# Altium PCB RX_test_01.PcbDoc (part 1 of 3) (continued)
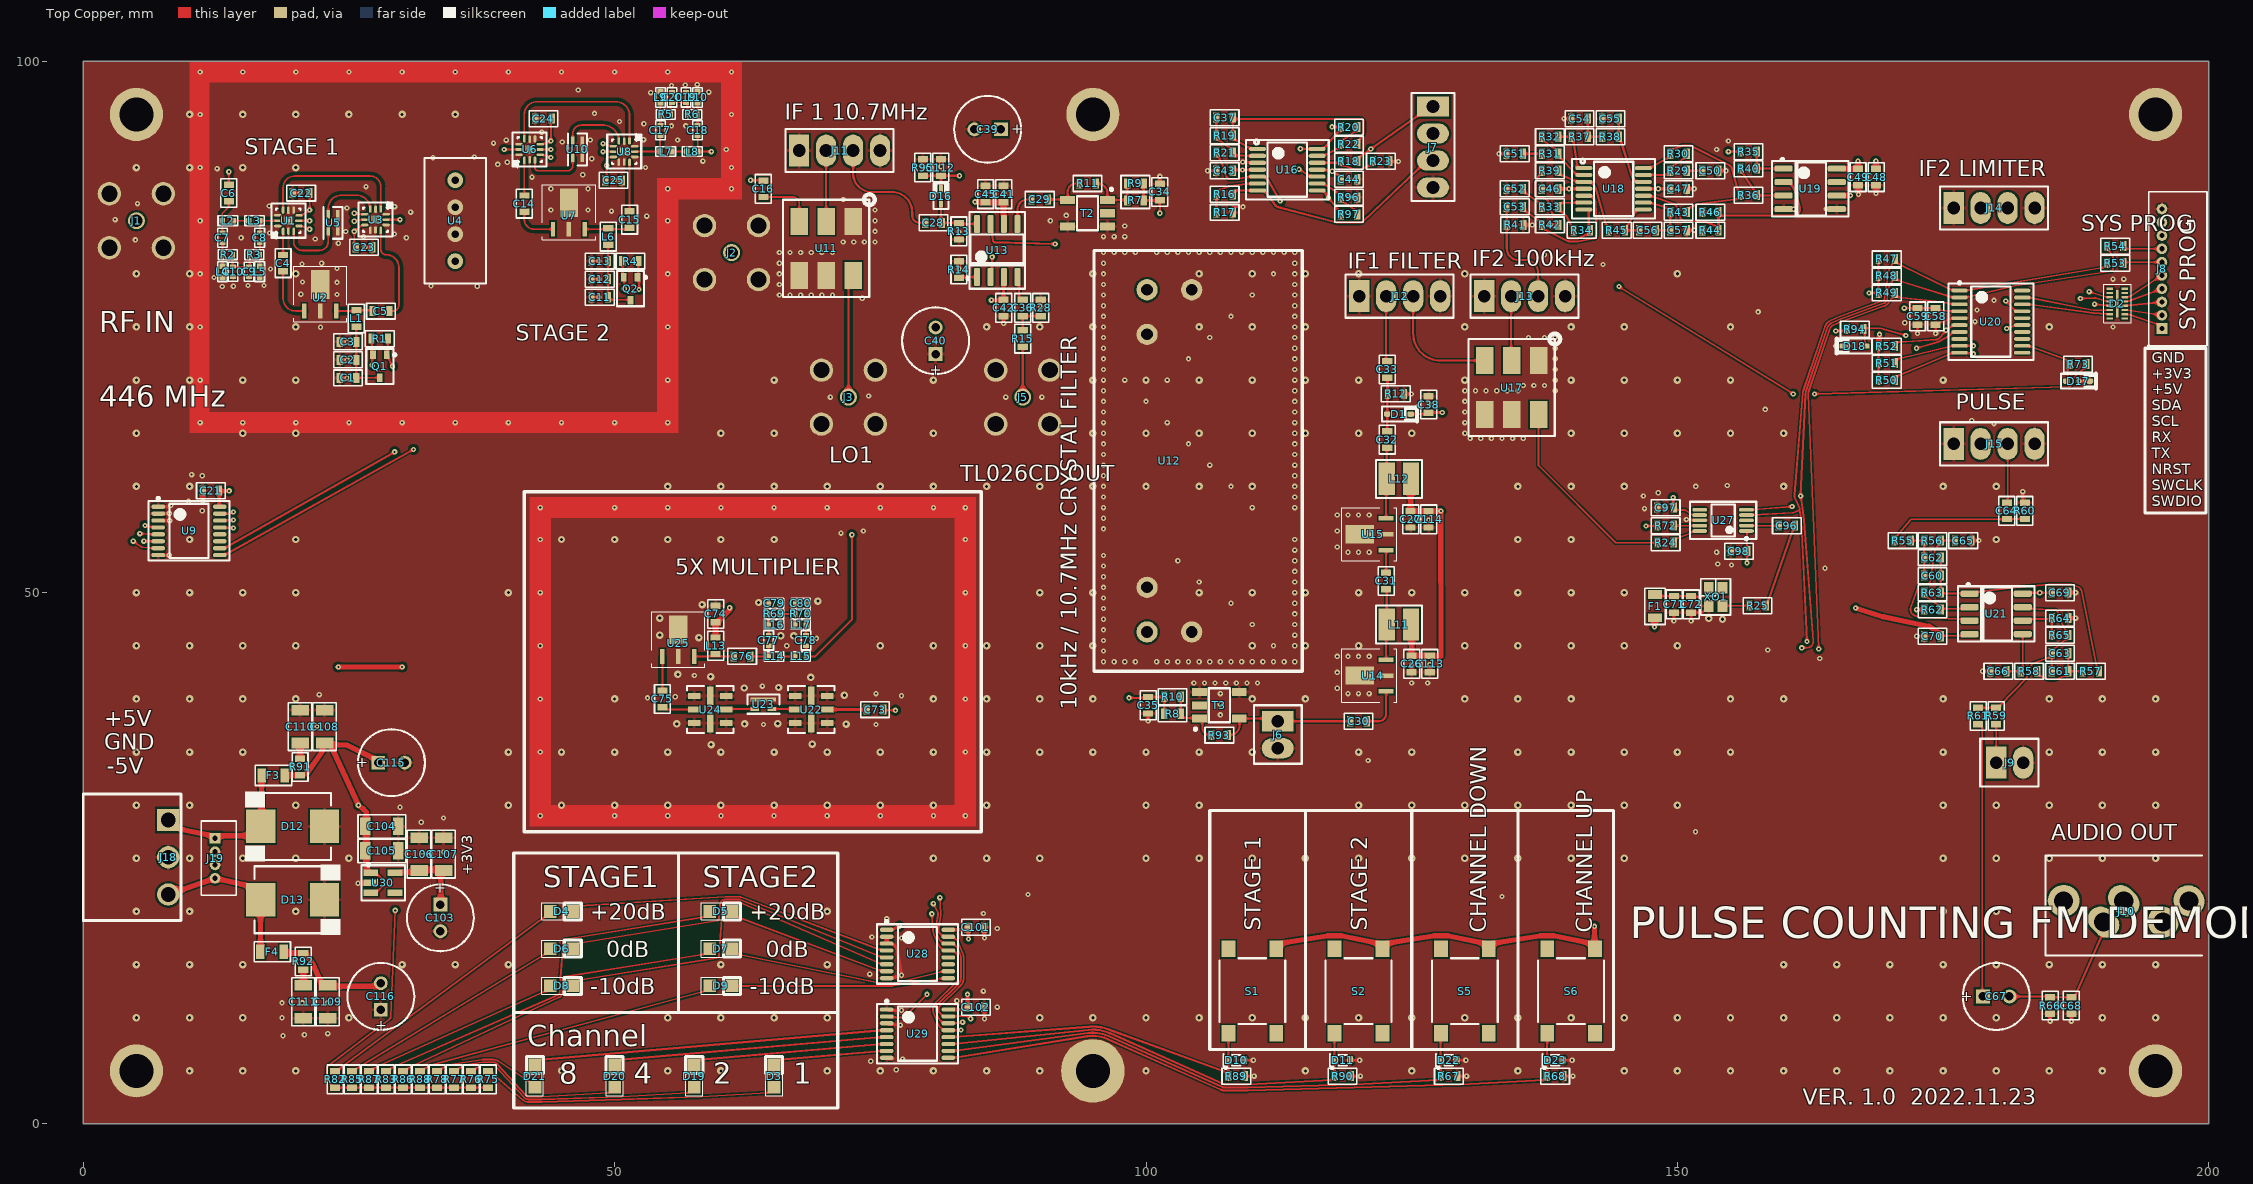
[diagram p0: Top Copper view]
## Components (designator, comment, footprint, x,y, rotation, side; value= is the part's Value field where it differs from the comment)
C1 "1u, 25V, X7R" SMD0603 24.9,70.2 r0 top
C2 "1u, 25V, X7R" SMD0603 24.9,71.9 r0 top
C3 "470p, 50V, C0G" SMD0603 24.9,73.6 r0 top
C4 "470p, 50V, C0G" SMD0603 18.8,81 r270 top
C5 "470p, 50V, C0G" SMD0603 28,76.5 r0 top
C6 "470p, 50V, C0G" SMD0603 13.7,87.6 r270 top
C7 "3p, 50V, C0G" SMD0402 13.1,83.4 r90 top
C8 "3p, 50V, C0G" SMD0402 16.6,83.4 r90 top
C9 "3p, 50V, C0G" SMD0402 15.6,80.2 r270 top
C10 "3p, 50V, C0G" SMD0402 14.1,80.2 r270 top
C11 "1u, 25V, X7R" SMD0603 48.6,77.8 r0 top
C12 "1u, 25V, X7R" SMD0603 48.6,79.5 r0 top
C13 "470p, 50V, C0G" SMD0603 48.6,81.2 r0 top
C14 "470p, 50V, C0G" SMD0603 41.5,86.6 r270 top
C15 "470p, 50V, C0G" SMD0603 51.4,85.1 r90 top
C16 "470p, 50V, C0G" SMD0603 64,88 r270 top
C17 "3p, 50V, C0G" SMD0402 54.3,93.5 r270 top
C18 "3p, 50V, C0G" SMD0402 57.8,93.5 r270 top
C19 "3p, 50V, C0G" SMD0402 56.7,96.6 r90 top
C20 "3p, 50V, C0G" SMD0402 55.4,96.6 r90 top
C21 "1u, 25V, X7R" SMD0603 12,59.6 r0 top
C22 "1u, 25V, X7R" SMD0603 20.5,87.6 r0 top
C23 "1u, 25V, X7R" SMD0603 26.425,82.5 r180 top
C24 "1u, 25V, X7R" SMD0603 43.3,94.6 r0 top
C25 "1u, 25V, X7R" SMD0603 49.9,88.8 r180 top
C26 "1u, 25V, X7R" SMD0603 125,43.3 r90 top
C27 "1u, 25V, X7R" SMD0603 124.9,56.9 r90 top
C28 "10n, 50V, C0G" SMD0603 80,84.8 r0 top
C29 "10n, 50V, C0G" SMD0603 90,87 r0 top
C30 "10n, 50V, C0G" SMD0603 120,37.9 r0 top
C31 "10n, 50V, C0G" SMD0603 122.6,51.1 r90 top
C32 "10n, 50V, C0G" SMD0603 122.7,64.4 r90 top
C33 "10n, 50V, C0G" SMD0603 122.7,71 r90 top
C34 "22p, 50V, C0G" SMD0603 101.3,87.7 r270 top
C35 "22p, 50V, C0G" SMD0603 100.2,39.4 r90 top
C36 "10n, 50V, C0G" SMD0603 88.4,76.8 r270 top
C37 "1u, 25V, X7R" SMD0603 107.4,94.7 r180 top
C38 "100n, 25V, X7R" SMD0603 126.6,67.7 r270 top
C39 "100u, alu, 25V" WCAP-ATLI_6.3x11x2.5 85.1,93.6 r0 top
C40 "100u, alu, 25V" WCAP-ATLI_6.3x11x2.5 80.2,73.7 r270 top
C41 "1u, 25V, X7R" SMD0603 86.6,87.5 r270 top
C42 "1u, 25V, X7R" SMD0603 86.6,76.8 r90 top
C43 "1u, 25V, X7R" SMD0603 107.4,89.7 r0 top
C44 "1u, 25V, X7R" SMD0603 119.1,88.9 r180 top
C45 "1u, 25V, X7R" SMD0603 84.9,87.5 r270 top
C46 "1u, 25V, X7R" SMD0603 138,88 r0 top
C47 "1u, 25V, X7R" SMD0603 150.1,88 r180 top
C48 "1u, 25V, X7R" SMD0603 168.7,89.1 r90 top
C49 "1u, 25V, X7R" SMD0603 167,89.1 r90 top
C50 "10n, 50V, C0G" SMD0603 153.1,89.7 r180 top
C51 "10n, 50V, C0G" SMD0603 134.7,91.3 r0 top
C52 "10n, 50V, C0G" SMD0603 134.7,88 r0 top
C53 "100n, 25V, X7R" SMD0603 134.7,86.3 r0 top
C54 "10n, 50V, C0G" SMD0603 140.8,94.6 r0 top
C55 "1n, 50V, C0G" SMD0603 143.7,94.6 r0 top
C56 "1u, 25V, X7R" SMD0603 147.2,84.1 r180 top
C57 "1u, 25V, X7R" SMD0603 150.1,84.1 r180 top
C58 "1u, 25V, X7R" SMD0603 174.3,76 r90 top
C59 "1u, 25V, X7R" SMD0603 172.6,76 r90 top
C60 "470p, 50V, C0G" SMD0603 174,51.6 r0 top
C61 "470p, 50V, C0G" SMD0603 186,42.6 r180 top
C62 "10n, 50V, C0G" SMD0603 174,53.3 r180 top
C63 "10n, 50V, C0G" SMD0603 186,44.3 r0 top
C64 "1u, 25V, X7R" SMD0603 181,57.7 r270 top
C65 "10n, 50V, C0G" SMD0603 176.9,54.9 r180 top
C66 "10n, 50V, C0G" SMD0603 180.2,42.6 r0 top
C67 "100u, alu, 25V" WCAP-ATLI_6.3x11x2.5 180,12 r180 top
C68 "47p, 50V, C0G" SMD0603 187.075,11.15 r90 top
C69 "1u, 25V, X7R" SMD0603 186,50 r180 top
C70 "1u, 25V, X7R" SMD0603 174,45.9 r0 top
C71 "10u, 10V, X6S" SMD0603 149.7,48.9 r90 top
C72 "1u, 25V, X7R" SMD0603 151.3,48.9 r90 top
C73 "470p, 50V, C0G" SMD0603 74.5,39 r180 top
C74 "1u, 25V, X7R" SMD0603 59.5,48 r270 top
C75 "470p, 50V, C0G" SMD0603 54.5,40 r90 top
C76 "470p, 50V, C0G" SMD0603 62,44 r0 top
C77 "3p, 50V, C0G" SMD0402 64.5,45.5 r270 top
C78 "3p, 50V, C0G" SMD0402 68,45.5 r270 top
C79 "3p, 50V, C0G" SMD0402 65,49 r180 top
C80 "3p, 50V, C0G" SMD0402 67.5,49 r0 top
C96 "1n, 50V, C0G" SMD0603 160.3,56.3 r180 top
C97 "1u, 25V, X7R" SMD0603 148.9,58 r0 top
C98 "1u, 25V, X7R" SMD0603 155.8,53.9 r0 top
C101 "1u, 25V, X7R" SMD0603 84,18.5 r180 top
C102 "1u, 25V, X7R" SMD0603 84,11 r180 top
C103 "100u, alu, 25V" WCAP-ATLI_6.3x11x2.5 33.6,19.4 r90 top
C104 "10u, 25V, X7R" SMD1206 28.1,28 r180 top
C105 "10u, 25V, X7R" SMD1206 28.1,25.7 r180 top
C106 "10u, 25V, X7R" SMD1206 31.6,25.4 r270 top
C107 "10u, 25V, X7R" SMD1206 33.9,25.4 r270 top
C108 "10u, 25V, X7R" SMD1206 22.7,37.4 r270 top
C109 "10u, 25V, X7R" SMD1206 23,11.5 r90 top
C110 "10u, 25V, X7R" SMD1206 20.4,37.4 r270 top
C111 "10u, 25V, X7R" SMD1206 20.7,11.5 r90 top
C112 "100n, 25V, X7R" SMD0603 80.7,90 r270 top
C113 "1u, 25V, X7R" SMD0603 126.7,43.3 r90 top
C114 "1u, 25V, X7R" SMD0603 126.6,56.9 r90 top
C115 "100u, alu, 25V" WCAP-ATLI_6.3x11x2.5 29,34 r180 top
C116 "100u, alu, 25V" WCAP-ATLI_6.3x11x2.5 28,12 r270 top
D1 "BAT42WS-E3-08" SOD-323 123.8,66.8 r180 top
D2 "VEMI85AB-HGK-GS08" LLP3313-17L 191.4,77.2 r90 top
D3 "GREEN" MCL-S270 65,4.5 r90 top
D4 "GREEN" MCL-S270 45,20 r0 top
D5 "GREEN" MCL-S270 60,20 r0 top
D6 "GREEN" MCL-S270 45,16.5 r0 top
D7 "GREEN" MCL-S270 60,16.5 r0 top
D8 "GREEN" MCL-S270 45,13 r0 top
D9 "GREEN" MCL-S270 60,13 r0 top
D10 "PESD3V3S1UB" SOD523 108.5,6 r0 top
D11 "PESD3V3S1UB" SOD523 118.5,6 r0 top
D12 "SMDJ5.0A-T7" DO-214AB 19.7,28 r0 top
D13 "SMDJ5.0A-T7" DO-214AB 19.7,21.1 r180 top
D16 "BAT6202VH6327XTSA1" SC79 80.7,87.3 r270 top
D17 "1N4148WS-7-F" SOD-323 187.7,69.9 r180 top
D18 "1N4148WS-7-F" SOD-323 166.7,73.2 r0 top
D19 "GREEN" MCL-S270 57.5,4.5 r90 top
D20 "GREEN" MCL-S270 50,4.5 r90 top
D21 "GREEN" MCL-S270 42.5,4.5 r90 top
D22 "PESD3V3S1UB" SOD523 128.5,6 r0 top
D23 "PESD3V3S1UB" SOD523 138.5,6 r0 top
F1 "120 ohm" "SMD0805 - R" 147.9,48.7 r270 top
F3 "120 ohm" "SMD0805 - R" 17.9,32.8 r0 top
F4 "120 ohm" "SMD0805 - R" 17.8,16.2 r0 top
J1 "MCX 73366-0061" 73366-0061 5,85 r0 top
J2 "MCX 73366-0061" 73366-0061 61,82 r0 top
J3 "MCX 73366-0061" 73366-0061 72,68.4 r90 top
J5 "MCX 73366-0061" 73366-0061 88.4,68.4 r0 top
J6 "61300211121" "HEADER 2 2.54MM" 112.4,37.9 r0 top
J7 "61300411121" "HEADER 4 2.54MM" 127,95.74 r0 top
J8 "53048-1010" 530481010 195.6,80.475 r90 top
J9 "61300211121" "HEADER 2 2.54MM" 180,34 r90 top
J10 "35RAPC4BV4" 35RAPC4BV4 199.35,20.15 r180 top
J11 "61300411121" "HEADER 4 2.54MM" 67.36,91.6 r90 top
J12 "61300411121" "HEADER 4 2.54MM" 120.06,77.9 r90 top
J13 "61300411121" "HEADER 4 2.54MM" 131.82,77.9 r90 top
J14 "61300411121" "HEADER 4 2.54MM" 176,86.2 r90 top
J15 "61300411121" "HEADER 4 2.54MM" 176,64 r90 top
J18 "691322110003" 691322110003 4.6,25.1 r270 top
J19 "53047-0410" 530470410 12.4,25 r270 top
L1 "68n, 2%, 2GHz" "SMD0603 - L" 25.7,75.8 r90 top
L2 "7.4nH, 0.5nH, 6.6GHz" Coilcraft-0402DC 13.6,85 r0 top
L3 "7.4nH, 0.5nH, 6.6GHz" Coilcraft-0402DC 16.1,85 r0 top
L4 "7.4nH, 0.5nH, 6.6GHz" Coilcraft-0402DC 13.1,80.2 r270 top
L5 "7.4nH, 0.5nH, 6.6GHz" Coilcraft-0402DC 16.6,80.2 r90 top
L6 "68n, 2%, 2GHz" "SMD0603 - L" 49.4,83.5 r90 top
L7 "7.4nH, 0.5nH, 6.6GHz" Coilcraft-0402DC 54.8,91.5 r0 top
L8 "7.4nH, 0.5nH, 6.6GHz" Coilcraft-0402DC 57.3,91.5 r0 top
L9 "7.4nH, 0.5nH, 6.6GHz" Coilcraft-0402DC 54.3,96.6 r90 top
L10 "7.4nH, 0.5nH, 6.6GHz" Coilcraft-0402DC 57.8,96.6 r270 top
L11 "ME3220-104KLC" ME3220 123.8,47 r180 top
L12 "ME3220-104KLC" ME3220 123.8,60.7 r180 top
L13 "68n, 2%, 2GHz" "SMD0603 - L" 59.5,45 r270 top
L14 "7.4nH, 0.5nH, 6.6GHz" Coilcraft-0402DC 65,44 r0 top
L15 "7.4nH, 0.5nH, 6.6GHz" Coilcraft-0402DC 67.5,44 r0 top
L16 "7.4nH, 0.5nH, 6.6GHz" Coilcraft-0402DC 65,47 r0 top
L17 "7.4nH, 0.5nH, 6.6GHz" Coilcraft-0402DC 67.5,47 r0 top
Q1 "NX3008PBKW" SOT323 27.9,71.3 r270 top
Q2 "NX3008PBKW" SOT323 51.5,78.6 r270 top
R1 "100k, 1%" "SMD0603 - R" 27.9,73.9 r0 top
R2 "49R9, 0.1%" "SMD0402 - R" 13.6,81.8 r0 top
R3 "49R9, 0.1%" "SMD0402 - R" 16.1,81.8 r0 top
R4 "100k, 1%" "SMD0603 - R" 51.475,81.2 r0 top
R5 "49R9, 0.1%" "SMD0402 - R" 54.8,95 r0 top
R6 "49R9, 0.1%" "SMD0402 - R" 57.3,95 r0 top
R7 "1k8, 1%" "SMD0603 - R" 99,86.9 r180 top
R8 "1k8, 1%" "SMD0603 - R" 102.5,38.6 r180 top
R9 "1k8, 1%" "SMD0603 - R" 99,88.5 r180 top
R10 "1k8, 1%" "SMD0603 - R" 102.5,40.2 r180 top
R11 "0R" "SMD0603 - R" 94.5,88.5 r0 top
R12 "1k8, 1%" "SMD0603 - R" 123.5,68.7 r180 top
R13 "51R, 1%" "SMD0603 - R" 82.4,84 r90 top
R14 "51R, 1%" "SMD0603 - R" 82.4,80.4 r270 top
R15 "1k8, 1%" "SMD0603 - R" 88.4,73.9 r270 top
R16 "10k, 1%" "SMD0603 - R" 107.4,87.475 r180 top
R17 "10k, 1%" "SMD0603 - R" 107.4,85.775 r0 top
R18 "30k, 1%" "SMD0603 - R" 119.1,90.6 r0 top
R19 "4k7, 1%" "SMD0603 - R" 107.4,93 r0 top
R20 "10k, 1%" "SMD0603 - R" 119.1,93.8 r180 top
R21 "10k, 1%" "SMD0603 - R" 107.4,91.4 r0 top
R22 "10k, 1%" "SMD0603 - R" 119.1,92.2 r180 top
R23 "20k, 1%" "SMD0603 - R" 122.1,90.6 r180 top
R24 "51R, 1%" "SMD0603 - R" 148.9,54.7 r180 top
R25 "22R, 1%" "SMD0603 - R" 157.55,48.775 r0 top
R28 "1k8, 1%" "SMD0603 - R" 90.1,76.8 r270 top
R29 "4k7, 1%" "SMD0603 - R" 150.1,89.7 r180 top
R30 "10k, 1%" "SMD0603 - R" 150.1,91.3 r180 top
R31 "4k7, 1%" "SMD0603 - R" 138,91.3 r0 top
R32 "10k, 1%" "SMD0603 - R" 138,92.9 r0 top
R33 "4k7, 1%" "SMD0603 - R" 138,86.3 r0 top
R34 "10k, 1%" "SMD0603 - R" 141,84.1 r0 top
R35 "51R, 1%" "SMD0603 - R" 156.7,91.5 r180 top
R36 "1k, 1%" "SMD0603 - R" 156.7,87.4 r0 top
R37 "10R, 1%" "SMD0603 - R" 140.8,92.9 r0 top
R38 "100R, 1%" "SMD0603 - R" 143.7,92.9 r0 top
R39 "1k, 1%" "SMD0603 - R" 138,89.7 r0 top
R40 "68k, 1%" "SMD0603 - R" 156.7,89.9 r0 top
R41 "51R, 1%" "SMD0603 - R" 134.725,84.6 r180 top
R42 "10k, 1%" "SMD0603 - R" 138,84.6 r180 top
R43 "10k, 1%" "SMD0603 - R" 150.1,85.8 r0 top
R44 "10k, 1%" "SMD0603 - R" 153.1,84.1 r180 top
R45 "1k, 1%" "SMD0603 - R" 144.3,84.1 r0 top
R46 "10k, 1%" "SMD0603 - R" 153.1,85.8 r0 top
R47 "4k7, 1%" "SMD0603 - R" 169.7,81.4 r0 top
R48 "4k7, 1%" "SMD0603 - R" 169.7,79.8 r0 top
R49 "4k7, 1%" "SMD0603 - R" 169.7,78.2 r0 top
R50 "100k, 1%" "SMD0603 - R" 169.7,70 r180 top
R51 "100k, 1%" "SMD0603 - R" 169.7,71.6 r180 top
R52 "100k, 1%" "SMD0603 - R" 169.7,73.2 r180 top
R53 "100R, 1%" "SMD0603 - R" 191.2,81 r0 top
R54 "100R, 1%" "SMD0603 - R" 191.2,82.6 r0 top
R55 "2k2, 1%" "SMD0603 - R" 171.2,54.9 r0 top
R56 "9k1, 1%" "SMD0603 - R" 174,54.9 r0 top
R57 "4k3, 1%" "SMD0603 - R" 188.9,42.6 r180 top
R58 "4k7, 1%" "SMD0603 - R" 183.1,42.6 r180 top
R59 "51R, 1%" "SMD0603 - R" 180,38.4 r270 top
R60 "10k, 1%" "SMD0603 - R" 182.7,57.7 r270 top
R61 "51R, 1%" "SMD0603 - R" 178.3,38.4 r90 top
R62 "2k4, 1%" "SMD0603 - R" 174,48.4 r0 top
R63 "3k, 1%" "SMD0603 - R" 174,50 r0 top
R64 "2k4, 1%" "SMD0603 - R" 186,47.6 r180 top
R65 "3k, 1%" "SMD0603 - R" 186,46 r0 top
R66 "10k, 1%" "SMD0603 - R" 185.075,11.15 r90 top
R67 "10k, 1%" "SMD0603 - R" 128.5,4.5 r0 top
R68 "10k, 1%" "SMD0603 - R" 138.5,4.5 r0 top
R69 "49R9, 0.1%" "SMD0402 - R" 65,48 r0 top
R70 "49R9, 0.1%" "SMD0402 - R" 67.5,48 r0 top
R72 "51R, 1%" "SMD0603 - R" 148.9,56.3 r180 top
R73 "18k, 1%" "SMD0603 - R" 187.7,71.5 r180 top
R75 "1k, 1%" "SMD0603 - R" 38.1,4.2 r270 top
R76 "1k, 1%" "SMD0603 - R" 36.5,4.2 r270 top
R77 "1k, 1%" "SMD0603 - R" 34.9,4.2 r270 top
R78 "1k, 1%" "SMD0603 - R" 33.3,4.2 r270 top
R82 "1k, 1%" "SMD0603 - R" 23.7,4.2 r90 top
R83 "1k, 1%" "SMD0603 - R" 28.5,4.2 r90 top
R85 "1k, 1%" "SMD0603 - R" 25.3,4.2 r90 top
R86 "1k, 1%" "SMD0603 - R" 30.1,4.2 r90 top
R87 "1k, 1%" "SMD0603 - R" 26.9,4.2 r90 top
R88 "1k, 1%" "SMD0603 - R" 31.7,4.2 r90 top
R89 "10k, 1%" "SMD0603 - R" 108.5,4.5 r0 top
R90 "10k, 1%" "SMD0603 - R" 118.5,4.5 r0 top
R91 "3R9, 1%" "SMD0603 - R" 20.4,33.6 r270 top
R92 "3R9, 1%" "SMD0603 - R" 20.7,15.3 r90 top
R93 "0R" "SMD0603 - R" 106.9,36.6 r0 top
R94 "18k, 1%" "SMD0603 - R" 166.7,74.8 r0 top
R95 "100k, 1%" "SMD0603 - R" 79,90 r270 top
R96 "2k, 1%" "SMD0603 - R" 119.1,87.2 r180 top
R97 "18k, 1%" "SMD0603 - R" 119.1,85.6 r180 top
S1 "430182043816" 430182043816 110,12.5 r90 top
S2 "430182043816" 430182043816 120,12.5 r90 top
S5 "430182043816" 430182043816 130,12.5 r90 top
S6 "430182043816" 430182043816 140,12.5 r90 top
T2 "TC16-161T+" MABA-007159-000000 94.5,85.7 r270 top
T3 "TC16-161T+" MABA-007159-000000 106.9,39.4 r90 top
U1 "SKY13588-460LF" QFN50P200X200X100_HS-13N 19.3,85 r90 top
U2 "PGA-103+" SOT89 22.3,78.4 r0 top
U3 "SKY13588-460LF" QFN50P200X200X100_HS-13N 27.5,85.1 r270 top
U4 "AFS446.0W02-TD01" AFS446.0W02-TD01 35,85 r90 top
U5 "PAT1220-C-10DB-T5" PAT1220 23.5,84.8 r90 top
U6 "SKY13588-460LF" QFN50P200X200X100_HS-13N 42,91.7 r90 top
U7 "PGA-103+" SOT89 45.7,86.1 r0 top
U8 "SKY13588-460LF" QFN50P200X200X100_HS-13N 50.9,91.5 r270 top
U9 "TCA9534APWR" TSSOP16N 9.95,55.81 r0 top
U10 "PAT1220-C-10DB-T5" PAT1220 46.5,91.7 r90 top
U11 "ADE-1H+" ADT1-6T 69.9,82.4 r180 top
U12 "F-10M7-K6" F-10M7-K6 100,62.4 r270 top
U13 "TL026CD" SOIC08 86,82.2 r90 top
U14 "SKY65017-70LF" SOT89 120.7,42.2 r90 top
U15 "SKY65017-70LF" SOT89 120.7,55.5 r90 top
U16 "LM324PWR" TSSOP14 113.3,89.8 r0 top
U17 "ADE-1H+" ADT1-6T 134.4,69.3 r180 top
U18 "LM324PWR" TSSOP14 144,88 r0 top
U19 "MCP6562-E/SN" SOIC08 162.5,88 r0 top
U20 "STM32G030F6P6TR" TSSOP20 179.5,75.5 r0 top
U21 "NE5532DR" SOIC08 180,48 r0 top
U22 "B39461B5058Z810" QCC8B 68.5,39 r90 top
U23 "PAT1220-C-3DB-T5" PAT1220 64,39.5 r180 top
U24 "B39461B5058Z810" QCC8B 59,39 r90 top
U25 "SKY65017-70LF" SOT89 56,45.9 r0 top
U27 "SI5351A-B-GTR" MSOP-10 154.3,56.8 r180 top
U28 "TCA9534APWR" TSSOP16N 78.5,16 r0 top
U29 "TCA9534APWR" TSSOP16N 78.5,8.5 r0 top
U30 "LDK320M33R" SOT23-5 28.2,22.7 r0 top
XO1 "SG-8018CG 25.0000M-TJHPA3" "XO 2.5X2.0MM" 153.6,49.6 r270 top

## Footprints (in the part's own frame and the unit in brackets; to place one, negate y for a bottom-side part, rotate by r counter-clockwise, add the part's x,y. Pads: shape width x height; smd on the part's side, far side on the other; paste and mask are expansions set on the pad)
35RAPC4BV4 [mm] "3.5MM JACK"
  oval 2.8x3 hole 1.8 rot 45: 1(1.2,-0.85) 2(3.65,1.15)
  oval 2.4x3.2 hole 1.8 rot 45: 3(7.35,-0.85) 4(9.25,1.15)
  round 3 hole 1.8: 5(13,-0.85)
  silkscreen extent 0,-5.1 14.7,4.3, body extent -14.2,-4.9 14,3.99, height 12.3
73366-0061 [mm]
  round 1.6 hole 1.17: 1(0,0)
  round 2.2 hole 1.52: 2(-2.54,-2.54) 2(-2.54,2.54) 2(2.54,-2.54) 2(2.54,2.54)
  body extent -3,-3 3,3, height 5.5
530470410 [mm]
  rect 1x1 hole 0.5: 1(-1.875,0)
  round 1 hole 0.5: 2(-0.625,0) 3(0.625,0) 4(1.875,0)
  silkscreen extent -3.5,-1.3 3.47,2, body extent -3.37,-1.15 3.38,2.05, height 4.23
530481010 [mm]
  rect 1x1 hole 0.5: 1(-5.625,0)
  round 1 hole 0.5: 2(-4.375,0) 3(-3.125,0) 4(-1.875,0) 5(-0.625,0) 6(0.625,0) 7(1.875,0) 8(3.125,0) 9(4.375,0) 10(5.625,0)
  silkscreen extent -7.25,-4.25 7.25,1.25, body extent -7.15,-4.48 7.1,1.03, height 3.5
430182043816 [mm] "SMD Tact Switch, body 6x6mm"
  rect 1.55x1.3 smd: 1(-3.975,2.25) 2(-3.975,-2.25) 3(3.975,2.25) 4(3.975,-2.25)
  silkscreen extent -3.1,-3.1 3.1,3.1, body extent -4.5,-3.1 4.5,3.1, height 4.3
691322110003 [mm] "Horizontal PCB Header, pitch 3.5mm, 03p"
  rect 2.1x2.1 hole 1.4: 1(-3.5,3.4)
  round 2.1 hole 1.4: 2(0,3.4) 3(3.5,3.4)
  silkscreen extent -5.95,-4.6 5.95,4.6, body extent -5.95,-4.6 5.95,4.6, height 7.3
ADT1-6T [mm] "RF Transformer"
  rect 1.65x2.54 smd: 1(-2.54,-2.54) 2(0,-2.54) 3(2.54,-2.54) 4(2.54,2.54) 5(0,2.54) 6(-2.54,2.54)
  silkscreen extent -4.57,-5.08 4.06,4.57, body extent -3.93,-3.45 3.94,3.46, height 5.24
AFS446.0W02-TD01 [mm]
  round 1.5 hole 0.7: 1(-3.81,0) 2(-1.27,0) 3(1.27,0) 4(3.81,0)
  silkscreen extent -5.9,-2.9 5.9,2.9
Coilcraft-0402DC [mm]
  rect 0.5x0.55 smd: 1(-0.525,0) 2(0.525,0)
  silkscreen extent -0.92,-0.45 0.92,0.45, body extent -0.56,-0.34 0.56,0.33, height 0.66
DO-214AB [mm] "Molded Diode, 2-Leads, Body 6.86x5.91mm, IPC Medium Density"
  rect 2.75x3.15 smd: 1(-3,0) 2(3,0)
  silkscreen extent -4.5,-3.3 3.6,3.3, body extent -3.55,-3.11 3.56,3.11, height 2.6
F-10M7-K6 [mm]
  round 2 hole 1.1 mask+0.05: 1(-16.1,0.1) 2(-16.1,4.3) 3(-11.9,0.1) 4(11.9,0.1) 5(16.1,4.3) 6(16.1,0.1)
  silkscreen extent -19.8,-4.9 19.8,14.7, body extent -19,-4.1 19,13.9, height 12
"HEADER 2 2.54MM" [mm]
  rect 3x1.9 hole 1.2: 1(0,0)
  oval 3x1.9 hole 1.2: 2(0,-2.54)
  silkscreen extent -2.25,-4 2.25,1.5, body extent -1.27,-3.84 1.27,1.24, height 8.67
"HEADER 4 2.54MM" [mm]
  rect 3x1.9 hole 1.2: 1(0,0)
  oval 3x1.9 hole 1.2: 2(0,-2.54) 3(0,-5.08)
  oval 3x1.9 hole 1.2 paste+0: 4(0,-7.62)
  silkscreen extent -2.03,-8.89 2.03,1.27, body extent -1.27,-8.89 1.27,1.27, height 8.47
LLP3313-17L [mm]
  rect 0.2x0.6 smd mask+0.05: 1(-1.4,-0.7) 2(-1,-0.7) 3(-0.6,-0.7) 4(-0.2,-0.7) 5(0.2,-0.7) 6(0.6,-0.7) 7(1,-0.7) 8(1.4,-0.7) 9(1.4,0.7) 10(1,0.7) 11(0.6,0.7) 12(0.2,0.7) 13(-0.2,0.7) 14(-0.6,0.7) 15(-1,0.7) 16(-1.4,0.7)
  rect 2.6x0.25 smd mask+0.05: 17(0,0)
  silkscreen extent -1.8,-1.3 1.8,1.3, body extent -1.65,-0.68 1.65,0.68, height 0.55
MABA-007159-000000 [mm] "E-Series RF 1:1 Transmission Line Transformer  4.5 - 3000 MHz"
  rect 0.76x1.4 smd: 1(-1.25,1.87) 2(0,1.87) 3(1.25,1.87) 4(1.25,-1.87) 5(-1.25,-1.87)
  silkscreen extent -2.37,-1 1.6,2.38, body extent -1.59,-1.4 1.59,1.39, height 2.6
MCL-S270 [mm]
  rect 1.2x1.2 smd: 1(-1.05,0) 2(1.05,0)
  silkscreen extent -1.85,-0.8 1.85,0.8
ME3220 [mm]
  rect 1.52x3.05 smd: 1(-1.143,0) 2(1.143,0)
  silkscreen extent -2.16,-1.78 2.16,1.78, body extent -1.75,-1.4 1.75,1.4, height 2.35
MSOP-10 [mm] "MSOP-10, 10-Leads, Body 3.00x3.00mm, Pitch 0.50mm, IPC Medium Density"
  oval 1.4x0.35 smd mask+0.05: 1(-2.2,1) 2(-2.2,0.5) 3(-2.2,0) 4(-2.2,-0.5) 5(-2.2,-1) 6(2.2,-1) 7(2.2,-0.5) 8(2.2,0) 9(2.2,0.5) 10(2.2,1)
  silkscreen extent -3.13,-1.75 3.13,1.85, body extent -2.45,-1.5 2.45,1.5, height 1.15
PAT1220 [mm]
  rect 0.8x0.35 smd: 1(-0.8,0.45) 2(0.8,0.45)
  rect 2.4x0.35 smd: 3(0,-0.45)
  silkscreen extent -1.5,-0.9 1.5,0.9
QCC8B [mm]
  rect 0.6x1.2 smd mask+0.05: 1(-1.27,-1.5) 2(0,-1.5) 3(1.27,-1.5) 5(1.27,1.5) 6(0,1.5) 7(-1.27,1.5)
  rect 1.7x0.6 smd mask+0.05: 4(1.3,0) 8(-1.3,0)
  silkscreen extent -2.2,-2.2 2.2,2.2
QFN50P200X200X100_HS-13N [mm] "QFN, 12-Leads, Body 2.00x2.00mm, Pitch 0.50mm, Thermal Pad 0.76x0.76mm, IPC Medium Density"
  oval 0.7x0.25 smd mask+0.05: 1(-1,0.5) 2(-0.975,0) 3(-1,-0.5) 7(1,-0.5) 8(0.975,0) 9(1,0.5)
  oval 0.25x0.7 smd mask+0.05: 4(-0.5,-1) 5(0,-0.975) 6(0.5,-1) 10(0.5,1) 11(0,0.975) 12(-0.5,1)
  rect 0.76x0.76 smd: 13(0,0)
  silkscreen extent -1.7,-1.6 1.6,1.6, body extent -1.01,-1.01 1.01,1.01, height 1
SC79 [mm]
  rrect50% 0.7x0.4 smd mask+0.05: 1(-0.7,0) 2(0.7,0)
  silkscreen extent -1.2,-0.7 1.2,0.7, body extent -0.85,-0.45 0.85,0.45, height 0.62
SMD0402 [mm] "2-Leads, Body 1,00x0,50mm(0403), IPC Medium Density"
  rect 0.4x0.55 smd: 1(-0.5,0) 2(0.5,0)
  silkscreen extent -0.9,-0.45 0.9,0.45, body extent -0.5,-0.26 0.5,0.27, height 0.36
"SMD0402 - R" [mm] "2-Leads, Body 1,00x0,50mm(0403), IPC Medium Density"
  rect 0.4x0.55 smd: 1(-0.5,0) 2(0.5,0)
  silkscreen extent -0.9,-0.45 0.9,0.45, body extent -0.52,-0.3 0.52,0.3, height 0.34
SMD0603 [mm] "2-Leads, Body 1,60x0,85mm(0603), IPC Medium Density"
  rect 0.6x0.95 smd: 1(-0.775,0) 2(0.775,0)
  silkscreen extent -1.35,-0.75 1.35,0.75, body extent -0.8,-0.4 0.8,0.4, height 0.7
"SMD0603 - L" [mm] "2-Leads, Body 1,60x0,85mm(0603), IPC Medium Density"
  rect 0.6x0.95 smd: 1(-0.775,0) 2(0.775,0)
  silkscreen extent -1.35,-0.75 1.35,0.75, body extent -0.88,-0.54 0.87,0.55, height 0.93
"SMD0603 - R" [mm] "2-Leads, Body 1,60x0,85mm(0603), IPC Medium Density"
  rect 0.6x0.95 smd: 1(-0.775,0) 2(0.775,0)
  silkscreen extent -1.35,-0.75 1.35,0.75, body extent -0.8,-0.45 0.8,0.45, height 0.5
"SMD0805 - R" [mm] "2-Leads, Body 2,00x1,25mm(0805), IPC Medium Density"
  rect 0.8x1.35 smd: 1(-1.125,0) 2(1.05,0)
  silkscreen extent -1.7,-0.95 1.7,0.95, body extent -1.15,-0.67 1.15,0.68, height 0.75
SMD1206 [mm] "Chip Resistor, 2-Leads, Body 3,20x1,60mm(1206), IPC Medium Density"
  rect 1x1.65 smd: 1(-1.55,0) 2(1.55,0)
  silkscreen extent -2.25,-1.1 2.25,1.1, body extent -1.6,-0.8 1.6,0.8, height 1
SOD523 [mm]
  rrect50% 0.6x0.8 smd: 1(-0.7,0) 2(0.7,0)
  silkscreen extent -1.2,-0.8 0.4,0.6, body extent -0.85,-0.45 0.85,0.45, height 0.7
SOD-323 [mm]
  rrect50% 0.6x0.5 smd: 1(-1.1,0) 2(1.1,0)
  silkscreen extent -1.7,-0.7 1.6,0.7, body extent -1.25,-0.67 1.25,0.68, height 1
SOIC08 [mm] "SOIC, 8-Leads, Body 4,90x3,90mm, Pitch 1,27mm, IPC Medium Density"
  rrect50% 1.7x0.6 smd: 1(-2.5,1.905) 2(-2.5,0.635) 3(-2.5,-0.635) 4(-2.5,-1.905) 5(2.5,-1.905) 6(2.5,-0.635) 7(2.5,0.635) 8(2.5,1.905)
  silkscreen extent -3.6,-2.6 3.6,2.88, body extent -3.1,-2.5 3.1,2.5, height 1.75
SOT23-5 [mm] "SOT23, 5-Leads, Body 2,90x2,80mm, Pitch 0,95mm, IPC Medium Density"
  rect 1.4x0.6 smd: 1(-1.15,0.95) 2(-1.15,0) 3(-1.15,-0.95) 4(1.15,-0.95) 5(1.15,0.95)
  silkscreen extent -2.02,-1.68 2.08,1.8, body extent -1.6,-1.45 1.6,1.45, height 0.94
SOT89 [mm]
  rect 0.42x1.4 smd: 1(-1.5,-1.9) 2(0,-1.9) 3(1.5,-1.9)
  rect 1.73x2.7 smd: 4(0,0.6)
  silkscreen extent -2.5,-2.9 2.5,2.3, body extent -2.25,-2.15 2.25,1.85, height 1.5
SOT323 [mm] "SOT323, 3-Leads, Body 2,00x2,10mm, Pitch 0,65mm, IPC Medium Density"
  rect 0.8x0.55 smd: 1(-1.075,0.65) 2(-1.075,-0.65) 3(1.075,0)
  silkscreen extent -1.65,-1.28 1.65,1.53, body extent -1.15,-1.05 1.15,1.05, height 1
TSSOP14 [mm] "TSSOP, 14-Leads, Body 5,00x4,40mm, Pitch 0,65mm, IPC Medium Density"
  oval 1.6x0.4 smd: 1(-2.8,1.95) 2(-2.8,1.3) 3(-2.8,0.65) 4(-2.8,0) 5(-2.8,-0.65) 6(-2.8,-1.3) 7(-2.8,-1.95) 8(2.8,-1.95) 9(2.8,-1.3) 10(2.8,-0.65) 11(2.8,0) 12(2.8,0.65) 13(2.8,1.3) 14(2.8,1.95)
  silkscreen extent -3.9,-2.8 3.9,2.8, body extent -3.2,-2.55 3.2,2.55, height 1.2
TSSOP16N [mm] "TSOP, 16-Leads, Body 5,00x4,40mm, Pitch 0,65mm, IPC Medium Density"
  oval 1.3x0.4 smd: 1(-2.9,2.275) 2(-2.9,1.625) 3(-2.9,0.975) 4(-2.9,0.325) 5(-2.9,-0.325) 6(-2.9,-0.975) 7(-2.9,-1.625) 8(-2.9,-2.275) 9(2.9,-2.275) 10(2.9,-1.625) 11(2.9,-0.975) 12(2.9,-0.325) 13(2.9,0.325) 14(2.9,0.975) 15(2.9,1.625) 16(2.9,2.275)
  silkscreen extent -3.8,-2.8 3.8,3.17, body extent -3.2,-2.5 3.2,2.5, height 1.1
TSSOP20 [mm] "TSOP, 20-Leads, Body 6,50x4,40mm, Pitch 0,65mm, IPC Medium Density"
  oval 1.55x0.35 smd: 1(-2.95,2.925) 2(-2.95,2.275) 3(-2.95,1.625) 4(-2.95,0.975) 5(-2.95,0.325) 6(-2.95,-0.325) 7(-2.95,-0.975) 8(-2.95,-1.625) 9(-2.95,-2.275) 10(-2.95,-2.925) 11(2.95,-2.925) 12(2.95,-2.275) 13(2.95,-1.625) 14(2.95,-0.975) 15(2.95,-0.325) 16(2.95,0.325) 17(2.95,0.975) 18(2.95,1.625) 19(2.95,2.275) 20(2.95,2.925)
  silkscreen extent -4,-3.6 4,3.77, body extent -3.3,-3.25 3.1,3.25, height 1.2
WCAP-ATLI_6.3x11x2.5 [mm] "Aluminum Electrolytic Capacitors, 6.3x11mm"
  rect 1.3x1.3 hole 0.8: 1(1.25,0)
  round 1.3 hole 0.8: 2(-1.25,0)
  silkscreen extent -3.15,-3.15 3.15,3.15, body extent -3.14,-3.15 3.15,3.15, height 11.31
"XO 2.5X2.0MM" [mm]
  rect 1.1x0.9 smd: 1(-0.85,-0.65) 2(0.85,-0.65) 3(0.85,0.65) 4(-0.85,0.65)
  silkscreen extent -1.7,-1.4 1.7,1.4, body extent -1.25,-1 1.25,1, height 0.8

## Part data
C1 C2 C11 C12 C21 C22 C23 C24 C25 C26 C27 C37 C41 C42 C43 C44 C45 C46 C47 C48 C49 C56 C57 C58 C59 C64 C69 C70 C72 C74 C101 C102 C113 C114: library part CGA3E1X7R1E105K080AC, "CAP CER 1UF 25V X7R 0603", Capacitance=1u, Manufacturer="TDK Corporation", Operating Temperature="-55°C ~ 125°C", Package / Case="0603 (1608 Metric)", Ratings=AEC-Q200, Supplier Part Number 1=810-CGA3E1X7R1E105K, Temperature Coefficient=X7R, Tolerance=±10%, Voltage - Rated=25V, Applications=Automotive, Category=Capacitors, ComponentLink1Description=https://product.tdk.com/info/en/catalog/datasheets/mlcc_automotive_general_en.pdf, ComponentLink1URL=https://product.tdk.com/info/en/catalog/datasheets/mlcc_automotive_general_en.pdf, Failure Rate=-, Features=-, Height - Seated (Max)=-, Lead Spacing=-, Lead Style=-, Manufacturer Part Number=CGA3E1X7R1E105K080AC, Mounting Type="Surface Mount, MLCC", Packaging="Cut Tape (CT)", Part Status=Active, Pricing 1="1=0.2, 10=0.135, 100=0.0686, 500=0.04696, 1000=0.04154 (USD)", RoHS="RoHS Compliant", Size / Dimension="0.063\" L x 0.032\" W (1.60mm x 0.80mm)", Stock 1=109509, Supplier 1=Mouser, Supplier 2=Farnell, Supplier 3=Digi-Key, Supplier Part Number 2=2346962, Supplier Part Number 3=445-6931-1-ND, Thickness (Max)="0.035\" (0.90mm)"
C3 C4 C5 C6 C13 C14 C15 C16 C60 C61 C73 C75 C76: library part GCM1885C1H471JA16D, "MURATA - GCM1885C1H471JA16D - CAP, MLCC, C0G/NP0, 470PF, 50V, 0603", Capacitance=470p, Capacitance Tolerance="± 5%", Ceramic Capacitor Case="0603 [1608 Metric]", Dielectric Characteristic="C0G / NP0", Manufacturer=MURATA, Operating Temperature Max=125, Operating Temperature Min=-55, Supplier Part Number 1=2494192, Voltage Rating=50, Automotive Qualification Standard=-, ComponentLink1Description=http://www.farnell.com/datasheets/1955642.pdf, ComponentLink1URL=http://www.farnell.com/datasheets/1955642.pdf, Manufacturer Part Number=GCM1885C1H471JA16D, MSL="MSL 6 - Time on Label", Packaging="Cut Tape", Pricing 1="10=0.0277, 100=0.0184, 500=0.0139, 1000=0.0111, 2000=0.0103, 4000=0.0091, 20000=0.0077, 40000=0.0071 (GBP)", Product Range="GCM Series", RoHS=YES, Stock 1=10240, Supplier 1=Farnell, Supplier 2=Digi-Key, Supplier Part Number 2=490-4965-1-ND, SVHC="No SVHC (17-Dec-2015)<!--FANDB--><div class=\"features-and-benefits-container\"><div class=\"features-and-benefits-desc-container\"><span class=\"features-and-benefits-container-desc\">SMD Multilayer Ceramic Capacitor, 0603 [1608 Metric], 470 pF, 50 V, ± 5%, C0G / NP0, GCM Series</span></div><div class=\"features-and-benefits-description\"><span class=\"features-benefits-value\">The GCM series capacitors from Murata are automotive grade multilayer ceramic chip capacitors (MLCC) used for automotive applications such as power train and safety equipment. The safety equipment includes drive system control, air bags and ABS of engine ECU. These MLCC capacitors are classified into temperature compensating and high dielectric constant types depending on the change in electrostatic capacitance due to change in temperature. The temperature compensating capacitors feature a small rate of change in electrostatic capacitance as the temperature changes. The high dielectric constant capacitors use materials with a high dielectric constant and feature a large electrostatic capacitance.</span></div><div class=\"features-and-benefits-list\"><ul class=\"features-and-benefits-list-list\"><li class=\"features-and-benefits-list-item\">Capacitance values ranges from 0.1pF to 47?F</li><li class=\"features-and-benefits-list-item\">Large capacity and small size in a multilayer structure</li><li class=\"features-and-benefits-list-item\">Tin plated external electrodes, excellent solderability</li><li class=\"features-and-benefits-list-item\">Capacitor size varies from 0.6mm x 0.3mm to 5.7mm x 5.0mm</li><li class=\"features-and-benefits-list-item\">Voltage rating ranges from 6.3VDC to 1000VDC</li><li class=\"features-and-benefits-list-item\">Temperature characteristics are classified according to JIS and EIA standard</li><li class=\"features-and-benefits-list-item\">Operating temperature changes according to temperature coefficient of capacitor</li><li class=\"features-and-benefits-list-item\">Automotive grade AEC-Q200 qualified</li></ul></div><div class=\"features-and-benefits-applications\"><ul class=\"features-and-benefits-value\"><li class=\"features-and-benefits-list-item\">Industrial</li><li class=\"features-and-benefits-list-item\">Consumer Electronics</li><li class=\"features-and-benefits-list-item\">Portable Devices</li><li class=\"features-and-benefits-list-item\">Power Management</li><li class=\"features-and-benefits-list-item\">Safety</li><li class=\"features-and-benefits-list-item\">Automotive</li></ul></div></div>"
C7 C8 C9 C10 C17 C18 C19 C20 C77 C78 C79 C80: library part GJM1555C1H3R0WB01D, "CAP CER 3PF 50V C0G/NP0 0402", Capacitance=3pF, Case Code (Imperial)=0402, Case Code (Metric)=1005, Dielectric=C0G, Manufacturer=Murata, Max Operating Temperature=125°C, Min Operating Temperature=-55°C, Package Quantity=10000, Supplier Part Number 1=81-GJM1555C1H3R0WB1D, Voltage Rating=50V, Case/Package=0402, Category="Ceramic Capacitors", ComponentLink1Description=http://www.mouser.com/ds/2/281/c02e-2905.pdf?src-supplier=Mouser, ComponentLink1URL=http://www.mouser.com/ds/2/281/c02e-2905.pdf?src-supplier=Mouser, ComponentLink2Description=http://search.murata.co.jp/Ceramy/image/img/PDF/ENG/GJM1555C1H3R0WB01.pdf?src-supplier=Avnet, ComponentLink2URL=http://search.murata.co.jp/Ceramy/image/img/PDF/ENG/GJM1555C1H3R0WB01.pdf?src-supplier=Avnet, ComponentLink3Description=http://search.murata.co.jp/Ceramy/image/img/A01X/G101/ENG/GJM1555C1H3R0WB01-01.pdf?src-supplier=Digi-Key, ComponentLink3URL=http://search.murata.co.jp/Ceramy/image/img/A01X/G101/ENG/GJM1555C1H3R0WB01-01.pdf?src-supplier=Digi-Key, ComponentLink4Description=http://search.murata.co.jp/Ceramy/image/img/A01X/partnumbering_e_01.pdf?src-supplier=Digi-Key, ComponentLink4URL=http://search.murata.co.jp/Ceramy/image/img/A01X/partnumbering_e_01.pdf?src-supplier=Digi-Key, ComponentLink5Description=http://components.arrow.com/part/dataview/46522145S277297N2606?src-supplier=Arrow+Electronics, ComponentLink5URL=http://components.arrow.com/part/dataview/46522145S277297N2606?src-supplier=Arrow+Electronics, Construction=Flat, Depth=0.5mm, Height=0.5mm, Length=1mm, Manufacturer Part Number=GJM1555C1H3R0WB01D, Mount="Surface Mount", Packaging="Tape and Reel", Pricing 1="1=0.27000, 10=0.18500, 50=0.18500, 100=0.10500, 500=0.07400, 1000=0.06500, 2500=0.06200, 5000=0.05700, 10000=0.04700 (USD)", Radiation Hardening=No, RoHS=Yes, RoHS Compliant=Yes, Series=GJM, Stock 1=79370, Supplier 1=Mouser, Supplier 2=Farnell, Supplier 3=Digi-Key, Supplier 4=RSComponents, Supplier Part Number 2=3243232, Supplier Part Number 3=490-11211-1-ND, Supplier Part Number 4=1853162, Termination=SMD/SMT, Thickness=0.022inch, Voltage Rating (DC)=50V, Width=0.5mm
C28 C29 C30 C31 C32 C33 C36 C50 C51 C52 C54 C62 C63 C65 C66: library part GRM1885C1H103JA01D, "Multilayer Ceramic Capacitors MLCC - SMD/SMT 0603 50VDC 10000pF 5% C0G", Capacitance=10n, Capacitance - nF="10 nF", Capacitance - pF="10000 pF", Case Code - in=0603, Case Code - mm=1608, Dielectric="C0G (NP0)", Manufacturer="Murata Electronics", Maximum Operating Temperature="+ 125 C", Minimum Operating Temperature="- 55 C", Package / Case="0603 (1608 metric)", Supplier Part Number 1=81-GRM1885C1H103JA1D, Tolerance="5 %", Voltage Rating DC="50 VDC", Brand="Murata Electronics", Category="Multilayer Ceramic Capacitors MLCC - SMD/SMT", Class="Class 1", CNHTS=8532241000, ComponentLink1Description=http://www.mouser.com/datasheet/2/281/murata_03052018_GRM_Series_1-1310166.pdf, ComponentLink1URL=http://www.mouser.com/datasheet/2/281/murata_03052018_GRM_Series_1-1310166.pdf, Height="0.8 mm", HTS Code=8532240020, Length="1.6 mm", Manufacturer Part Number=GRM1885C1H103JA01D, Minimum Order Quantity=1, Packaging="Cut Tape", Pricing 1="1=0.183, 10=0.129, 100=0.065, 500=0.045, 1000=0.039, 4000=0.030, 8000=0.027, 24000=0.025 (EUR)", Product="General Type MLCCs", Product Type="Ceramic Capacitors", Reeling=True, RoHS="RoHS Compliant", RoHS - Mouser=Y, Series=GRM, Standard Pack Qty=4000, Stock 1=217291, Subcategory=Capacitors, Supplier 1=Mouser, Supplier 2=Farnell, Supplier Part Number 2=2456107, TARIC=8532240000, Termination=Standard, Termination Style=SMD/SMT, Type="Chip Multilayer Ceramic Capacitor for General Purpose", Width="0.8 mm"